# Allegro board TDI_KU5P_QSFP28_CXP_V001-20240805_1841.brd (continued)
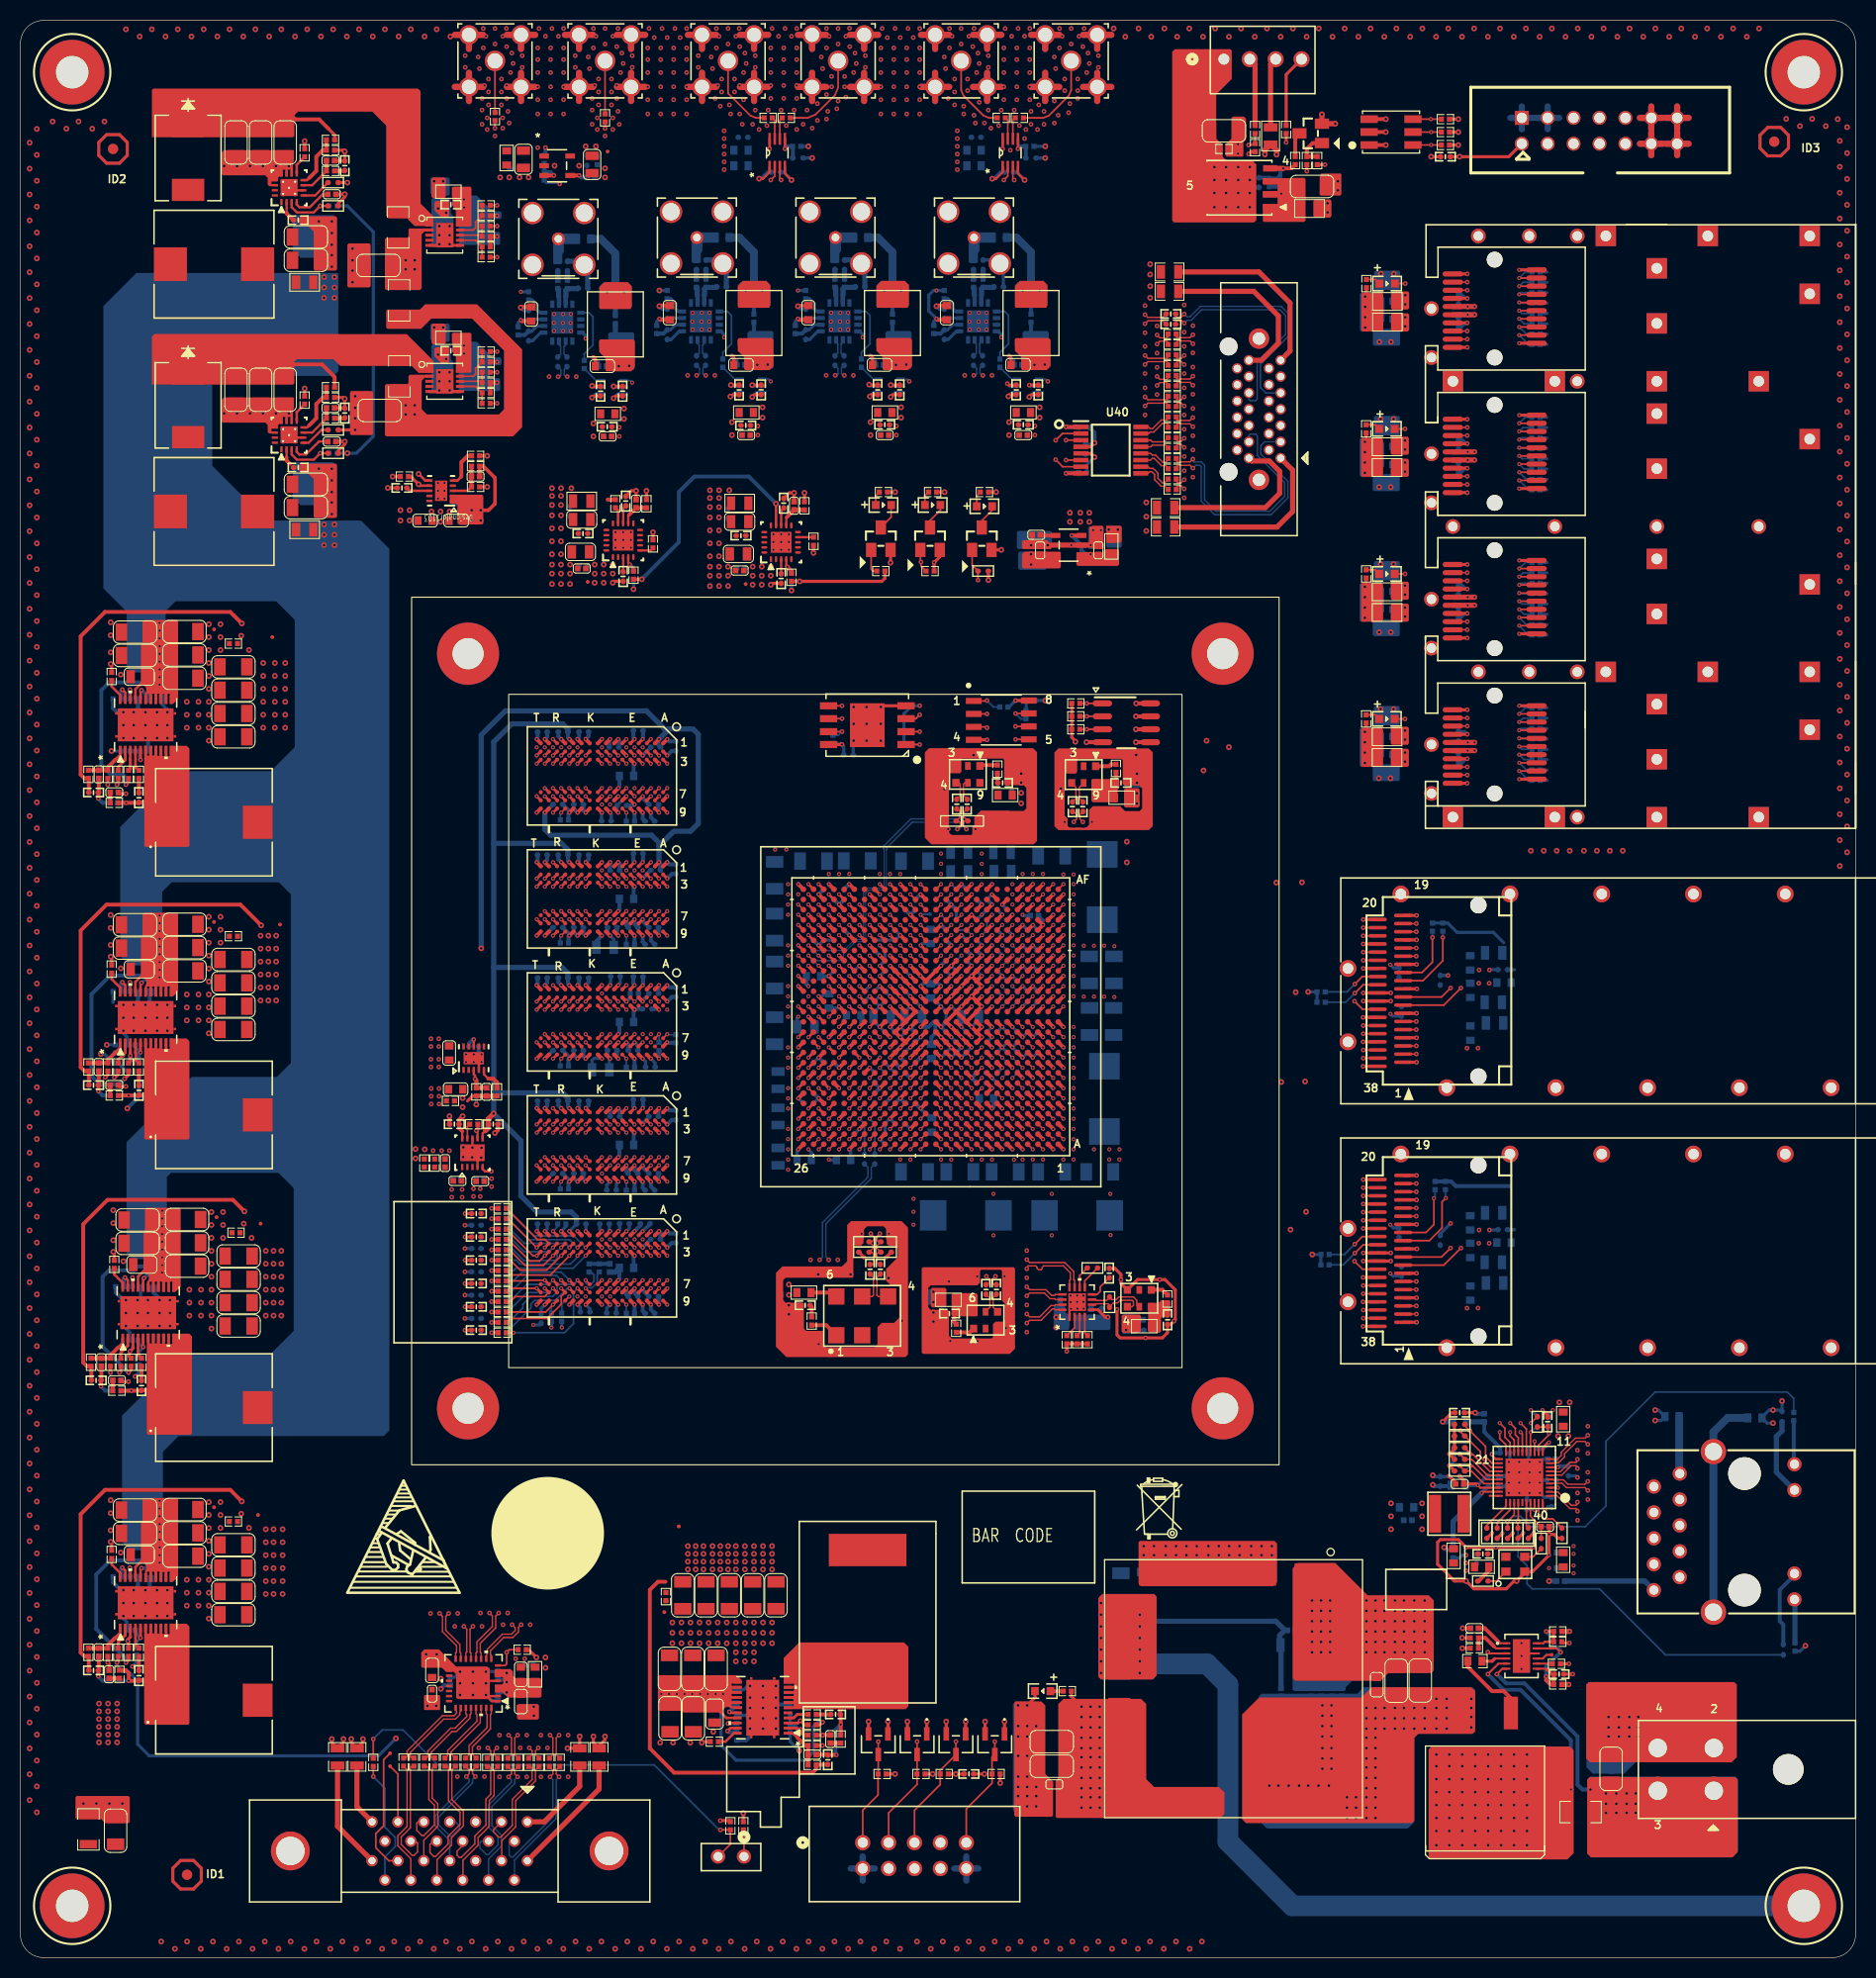
[diagram p0: board, top side]
## Routing (per net, layer and track width the routed paths; a pad name or vN(x,y) marks a point on that pad's centre or on a via; arc(x,y) is an arc through that point) (continued)
CHA_QSFP1_TX0_P: length 61
  TOP w0.14: v2(131.71,89.02) 133.12,89.02 J6.36
  TOP w0.17: U1.N5 v1(98.3,91.27)
  ART12 w0.102: v1(98.3,91.27) 98.65,91.27 arc(98.72,91.3) 98.75,91.38 98.75,91.64 arc(98.72,91.72) 98.65,91.74 98.07,91.74 arc(97.93,91.69) 97.88,91.56 97.88,87.03 arc(97.93,86.91) 98.05,86.86 100.38,86.86 101.02,86.9 103.62,86.9 103.67,86.95 103.7,86.95
  ART12 w0.114: v2(131.71,89.02) 131.71,88.85 arc(131.68,88.76) 131.59,88.73 131.5,88.73 arc(131.32,88.69) 131.17,88.59 130.24,87.66 arc(130.17,87.63) 130.09,87.66 arc(130.02,87.69) 129.94,87.66 129.77,87.49 arc(129.74,87.41) 129.77,87.34 arc(129.8,87.26) 129.77,87.19 129.59,87.01 arc(129.53,86.97) 129.45,86.95 129.07,86.95 arc(129,86.98) 128.97,87.05 arc(128.93,87.13) 128.86,87.16 128.62,87.16 arc(128.54,87.13) 128.51,87.05 arc(128.48,86.98) 128.41,86.95 128.15,86.95 arc(128.08,86.98) 128.05,87.05 arc(128.02,87.14) 127.93,87.17 127.72,87.17 arc(127.63,87.14) 127.6,87.05 arc(127.57,86.98) 127.5,86.95 127.14,86.95 arc(126.9,87.05) 126.8,87.29 126.8,89.55 arc(126.15,90.2) 125.5,89.55 125.5,87.29 arc(125.16,86.95) 124.82,87.29 124.82,89.55 arc(124.17,90.2) 123.52,89.55 123.52,87.29 arc(123.17,86.95) 122.83,87.29 122.83,89.55 arc(122.18,90.2) 121.53,89.55 121.53,87.29 arc(121.43,87.05) 121.19,86.95 103.7,86.95
CHA_QSFP1_TX1_N: length 62.1
  TOP w0.14: v2(136.91,88.62) 135.63,88.62 J6.2
  TOP w0.17: U1.L4 v1(99.3,89.28)
  ART12 w0.102: v1(99.3,89.28) 99.05,89.28 arc(98.91,89.33) 98.85,89.48 98.85,89.5 arc(98.91,89.64) 99.05,89.7 100.46,89.7 101.04,89.65 103.57,89.65 103.62,89.6 103.65,89.6
  ART12 w0.114: v2(136.91,88.62) 136.91,88.75 arc(136.88,88.83) 136.8,88.86 136.56,88.86 arc(136.34,88.91) 136.15,89.03 135.83,89.35 arc(135.75,89.39) 135.68,89.35 arc(135.6,89.32) 135.53,89.35 135.36,89.53 arc(135.32,89.6) 135.36,89.68 arc(135.39,89.75) 135.36,89.83 132.4,92.78 arc(132.32,92.84) 132.21,92.86 111.37,92.86 arc(111.13,92.76) 111.03,92.52 111.03,90.34 arc(110.38,89.69) 109.73,90.34 109.73,92.52 arc(109.38,92.86) 109.04,92.52 109.04,90.34 arc(108.39,89.69) 107.74,90.34 107.74,92.52 arc(107.4,92.86) 107.05,92.52 107.05,90.34 arc(106.4,89.69) 105.75,90.34 105.75,92.52 arc(105.65,92.76) 105.41,92.86 105.03,92.86 arc(104.91,92.81) 104.87,92.69 104.87,90.36 arc(104.83,90.16) 104.72,90 104.47,89.75 arc(104.31,89.64) 104.11,89.6 103.65,89.6
CHA_QSFP1_TX1_P: length 62.1
  TOP w0.14: J6.3 135.63,89.42 v2(136.91,89.42)
  TOP w0.17: U1.L5 v1(98.3,89.28)
  ART12 w0.102: v1(98.3,89.28) 98.48,89.28 arc(98.6,89.32) 98.65,89.44 98.65,89.5 arc(98.76,89.78) 99.05,89.9 100.47,89.9 100.76,89.88 101.04,89.86 103.57,89.86 103.62,89.91 103.65,89.91
  ART12 w0.114: 103.65,89.91 104.11,89.91 arc(104.19,89.92) 104.25,89.97 104.5,90.21 arc(104.54,90.28) 104.56,90.36 104.56,92.69 arc(104.7,93.03) 105.03,93.17 105.41,93.17 arc(105.87,92.98) 106.06,92.52 106.06,90.34 arc(106.4,89.99) 106.75,90.34 106.75,92.52 arc(107.4,93.17) 108.05,92.52 108.05,90.34 arc(108.39,89.99) 108.73,90.34 108.73,92.52 arc(109.38,93.17) 110.03,92.52 110.03,90.34 arc(110.38,89.99) 110.72,90.34 110.72,92.52 arc(110.91,92.98) 111.37,93.17 132.21,93.17 arc(132.43,93.12) 132.62,93 136.37,89.25 arc(136.45,89.19) 136.56,89.17 136.8,89.17 arc(136.88,89.21) 136.91,89.29 v2(136.91,89.42)
CHA_QSFP1_TX2_N: length 61.6
  TOP w0.14: J6.34 v2(131.71,90.62)
  TOP w0.17: U1.J4 v1(99.3,87.27)
  ART12 w0.102: 103.62,87.6 103.6,87.6 103.54,87.65 101.01,87.65 100.43,87.69 98.97,87.69 arc(98.91,87.68) 98.86,87.65 98.84,87.64 arc(98.81,87.58) 98.8,87.52 98.8,87.44 arc(98.81,87.38) 98.84,87.33 98.86,87.32 arc(98.9,87.29) 98.96,87.27 v1(99.3,87.27)
  ART12 w0.114: v2(131.71,90.62) 131.71,90.75 arc(131.68,90.83) 131.6,90.86 131.52,90.86 arc(131.27,90.91) 131.05,91.06 131.02,91.09 arc(130.97,91.12) 130.91,91.13 128.88,91.13 arc(128.86,91.13) 128.85,91.12 arc(128.83,91.1) 128.82,91.07 arc(128.8,91.03) 128.76,91.01 128.43,91.01 arc(128.38,91.03) 128.36,91.07 arc(128.34,91.11) 128.3,91.13 120.66,91.13 arc(120.41,91.03) 120.31,90.79 120.31,88.56 arc(119.66,87.91) 119.01,88.56 119.01,90.79 arc(118.67,91.13) 118.33,90.79 118.33,88.56 arc(117.68,87.91) 117.03,88.56 117.03,90.79 arc(116.68,91.13) 116.34,90.79 116.34,88.56 arc(115.69,87.91) 115.04,88.56 115.04,90.79 arc(114.7,91.13) 114.35,90.79 114.35,88.56 arc(113.7,87.91) 113.05,88.56 113.05,90.79 arc(112.95,91.03) 112.71,91.13 112.62,91.13 arc(112.35,91.02) 112.23,90.74 112.23,88.42 arc(112.18,88.13) 112.01,87.89 111.94,87.82 arc(111.7,87.66) 111.41,87.6 103.62,87.6
CHA_QSFP1_TX2_P: length 61.6
  TOP w0.14: J6.33 v2(131.71,91.42)
  TOP w0.17: U1.J5 v1(98.3,87.27)
  ART12 w0.102: 103.62,87.91 103.6,87.91 103.54,87.85 101.02,87.85 100.44,87.9 98.97,87.9 arc(98.83,87.87) 98.71,87.79 98.7,87.78 arc(98.62,87.66) 98.6,87.52 98.6,87.44 arc(98.58,87.38) 98.55,87.33 98.54,87.32 arc(98.49,87.29) 98.43,87.27 v1(98.3,87.27)
  ART12 w0.114: v2(131.71,91.42) 131.71,91.28 arc(131.68,91.2) 131.6,91.17 131.52,91.17 arc(131.39,91.2) 131.27,91.27 131.24,91.3 arc(131.09,91.4) 130.91,91.44 120.66,91.44 arc(120.2,91.25) 120.01,90.79 120.01,88.56 arc(119.66,88.22) 119.32,88.56 119.32,90.79 arc(118.67,91.44) 118.02,90.79 118.02,88.56 arc(117.68,88.22) 117.33,88.56 117.33,90.79 arc(116.68,91.44) 116.03,90.79 116.03,88.56 arc(115.69,88.22) 115.35,88.56 115.35,90.79 arc(114.7,91.44) 114.05,90.79 114.05,88.56 arc(113.7,88.22) 113.36,88.56 113.36,90.79 arc(113.17,91.25) 112.71,91.44 112.62,91.44 arc(112.13,91.24) 111.93,90.74 111.93,88.42 arc(111.89,88.25) 111.79,88.11 111.72,88.04 arc(111.58,87.94) 111.41,87.91 103.62,87.91
CHA_QSFP1_TX3_N: length 61.2
  TOP w0.14: v2(136.91,91.02) 135.63,91.02 J6.5
  TOP w0.17: U1.G4 v1(99.3,85.28)
  ART12 w0.102: 103.77,84.95 103.75,84.95 103.7,84.9 101.07,84.9 100.38,84.86 98.9,84.86 arc(98.81,84.89) 98.77,84.99 98.77,85.17 arc(98.8,85.25) 98.87,85.28 v1(99.3,85.28)
  ART12 w0.114: 103.77,84.95 104.25,84.95 arc(104.33,84.98) 104.36,85.06 104.36,85.06 arc(104.39,85.13) 104.47,85.17 104.71,85.17 arc(104.79,85.13) 104.82,85.06 104.82,85.06 arc(104.85,84.98) 104.93,84.95 105.17,84.95 arc(105.24,84.98) 105.28,85.06 105.28,85.06 arc(105.31,85.13) 105.38,85.17 105.62,85.17 arc(105.7,85.13) 105.73,85.06 105.73,85.06 arc(105.76,84.98) 105.84,84.95 106.08,84.95 arc(106.16,84.98) 106.19,85.06 106.19,85.06 arc(106.23,85.14) 106.31,85.18 106.53,85.18 arc(106.61,85.14) 106.65,85.06 106.65,85.06 arc(106.68,84.98) 106.76,84.95 107,84.95 arc(107.07,84.98) 107.1,85.06 107.1,85.06 arc(107.14,85.15) 107.24,85.19 107.43,85.19 arc(107.52,85.15) 107.56,85.06 107.56,85.06 arc(107.59,84.98) 107.67,84.95 125.05,84.95 arc(125.51,84.76) 125.7,84.3 125.7,82.84 arc(126.04,82.5) 126.38,82.84 126.38,84.3 arc(127.03,84.95) 127.68,84.3 127.68,82.84 arc(128.02,82.5) 128.37,82.84 128.37,84.3 arc(129.02,84.95) 129.67,84.3 129.67,82.84 arc(130.01,82.5) 130.35,82.84 130.35,84.3 arc(130.54,84.76) 131,84.95 135.4,84.95 arc(136.25,85.12) 136.98,85.6 137.03,85.65 arc(137.55,86.44) 137.73,87.36 137.73,91 arc(137.66,91.19) 137.47,91.26 137.03,91.26 arc(136.94,91.23) 136.91,91.15 v2(136.91,91.02)
CHA_QSFP1_TX3_P: length 61.2
  TOP w0.14: J6.6 135.63,91.82 v2(136.91,91.82)
  TOP w0.17: U1.G5 v1(98.3,85.28)
  ART12 w0.102: 103.77,84.64 103.75,84.64 103.7,84.69 101.08,84.69 100.39,84.65 98.9,84.65 arc(98.67,84.75) 98.57,84.99 98.57,85.17 arc(98.54,85.25) 98.47,85.28 v1(98.3,85.28)
  ART12 w0.114: v2(136.91,91.82) 136.91,91.69 arc(136.94,91.61) 137.03,91.57 137.47,91.57 arc(137.88,91.41) 138.04,91 138.04,87.36 arc(137.83,86.32) 137.24,85.43 137.19,85.38 arc(136.37,84.84) 135.4,84.64 131,84.64 arc(130.76,84.54) 130.66,84.3 130.66,82.84 arc(130.01,82.19) 129.36,82.84 129.36,84.3 arc(129.02,84.64) 128.68,84.3 128.68,82.84 arc(128.02,82.19) 127.37,82.84 127.37,84.3 arc(127.03,84.64) 126.69,84.3 126.69,82.84 arc(126.04,82.19) 125.39,82.84 125.39,84.3 arc(125.29,84.54) 125.05,84.64 103.77,84.64
CHA_QSFP1_VCCI: length 2.7
  TOP w0.305: v2(134.41,93.82) J6.30 v2(131.71,93.82)
CHA_QSFP1_VCCRX: length 1.3
  TOP w0.305: v2(136.97,95.02) 136.97,95.02 J6.10
CHA_QSFP1_VCCTX: length 2.7
  TOP w0.305: v2(131.71,94.62) 131.71,94.62 J6.29 134.41,94.62 v2(134.41,94.62)
CHA_QSPI_FLASH_CE_B: length 42.3
  TOP w0.17: v2(88.2,118.97) 86.87,118.97 U2.1 ; U1.AA12 v1(91.3,100.28)
  ART03 w0.122: v2(88.2,118.97) 88.2,119.25 86.07,121.39 85.28,121.39 85.16,121.26 85.16,120.31 85.28,120.19 86.35,120.19 86.48,120.07 86.48,119.83 86.35,119.7 85.28,119.7 85.16,119.58 85.16,119.15 85.64,118.66 85.87,118.66 86.37,119.16 86.54,119.16 86.69,119.02 86.69,118.84 86.16,118.32 86.16,118.15 86.33,117.97 86.51,117.97 87.01,118.47 87.18,118.47 87.82,117.83 88.64,117.83 88.76,117.71 88.76,117.48 88.64,117.35 87.49,117.35 87.37,117.23 87.37,116.99 87.49,116.87 88.64,116.87 88.76,116.74 88.76,116.5 88.64,116.38 87.97,116.38 87.85,116.26 87.85,116.01 87.97,115.89 88.64,115.89 88.76,115.77 88.76,115.53 88.64,115.4 87.97,115.4 87.85,115.28 87.85,115.04 87.97,114.92 88.64,114.92 88.76,114.79 88.76,114 89.73,113.03 89.73,101.07 90.11,100.69 90.9,100.69 v1(91.3,100.28)
  BOTTOM w0.17: R16.2 v2(88.2,118.97)
CHA_QSPI_FLASH_CLK: length 40.5
  TOP w0.17: U2.6 v2(80.58,121.52)
  ART03 w0.122: v2(80.58,121.52) 81.09,121.01 81.09,118.85 81.27,118.67 83.2,118.67 84.08,117.79 84.25,117.79 84.9,118.45 85.07,118.45 85.25,118.27 85.25,118.1 84.59,117.45 84.59,117.28 84.77,117.1 84.94,117.1 85.59,117.76 85.76,117.76 85.94,117.58 85.94,117.41 85.28,116.76 85.28,116.59 85.46,116.41 85.63,116.41 86.28,117.07 86.45,117.07 86.63,116.89 86.63,116.72 85.97,116.07 85.97,115.9 86.15,115.72 86.32,115.72 86.97,116.38 87.14,116.38 87.32,116.2 87.32,116.03 86.66,115.38 86.66,115.21 89.22,112.65 89.22,99.67 90.11,98.78 91.8,98.78 v1(92.3,98.28)
  BOTTOM w0.17: R1.1 91.8,97.78 v1(92.3,98.28)
CHA_QSPI_FLASH_D0: length 40.6
  TOP w0.17: v2(80.58,122.78) U2.5 ; U1.AD11 v1(92.3,103.28)
  ART03 w0.122: v2(80.58,122.78) 80.58,123.55 80.71,123.67 84.65,123.67 87.44,120.88 88.66,120.88 89.8,119.74 89.8,114.48 90.41,113.87 94.3,113.87 94.68,113.49 94.68,110.77 94.05,110.13 92.14,110.13 92.01,110.01 92.01,109.56 92.14,109.44 92.63,109.44 92.75,109.32 92.75,109.07 92.63,108.95 92.14,108.95 92.01,108.83 92.01,108.58 92.14,108.46 92.63,108.46 92.75,108.34 92.75,108.1 92.63,107.97 92.14,107.97 92.01,107.85 92.01,107.61 92.14,107.49 92.63,107.49 92.75,107.37 92.75,107.12 92.63,107 92.14,107 92.01,106.88 92.01,105.84 91.76,105.59 91.76,103.73 92.21,103.28 v1(92.3,103.28)
CHA_QSPI_FLASH_D1: length 41.3
  TOP w0.17: U2.2 v2(88.2,120.24) ; U1.AC12 v1(91.3,102.28)
  ART03 w0.122: v1(91.3,102.28) 91.18,102.28 90.74,102.72 90.74,106.07 90.87,106.19 91.46,106.19 91.58,106.32 91.58,106.56 91.46,106.68 90.87,106.68 90.74,106.8 90.74,107.05 90.87,107.17 91.46,107.17 91.58,107.29 91.58,107.53 91.46,107.66 90.87,107.66 90.74,107.78 90.74,108.02 90.87,108.14 91.46,108.14 91.58,108.27 91.58,108.51 91.46,108.63 90.87,108.63 90.74,108.75 90.74,109 90.87,109.12 91.46,109.12 91.58,109.24 91.58,109.48 91.46,109.61 90.87,109.61 90.74,109.73 90.74,109.93 90.34,110.34 90.34,111.16 90.46,111.28 93.89,111.28 94.1,111.48 94.1,113.06 93.92,113.23 93.52,113.23 93.4,113.11 93.4,112.03 93.25,111.89 93,111.89 92.88,112.01 92.88,113.11 92.76,113.23 92.54,113.23 92.39,113.09 92.39,112.01 92.27,111.89 92.03,111.89 91.91,112.01 91.91,113.11 91.79,113.23 91.57,113.23 91.42,113.09 91.42,112.01 91.3,111.89 91.08,111.89 90.96,112.01 90.96,113.11 90.84,113.23 90.34,113.23 89.27,114.3 89.27,119.17 v2(88.2,120.24)
CHA_QSPI_FLASH_D2: length 42.4
  TOP w0.17: v2(88.2,121.89) 87.82,121.51 86.87,121.51 U2.3 ; U1.AC11 v1(92.3,102.28)
  ART03 w0.122: v1(92.3,102.28) 92.3,102.37 92.78,102.84 92.78,103.61 92.9,103.73 93.41,103.73 93.79,104.11 93.79,108.38 96.05,110.64 96.05,120.6 95.37,121.28 94.35,121.28 93.74,121.89 93.28,121.89 93.16,122.02 93.16,122.99 93.04,123.11 92.8,123.11 92.67,122.99 92.67,122.02 92.55,121.89 92.31,121.89 92.19,122.02 92.19,122.99 92.07,123.11 91.82,123.11 91.7,122.99 91.7,122.02 91.58,121.89 91.33,121.89 91.21,122.02 91.21,122.99 91.09,123.11 90.85,123.11 90.72,122.99 90.72,122.02 90.6,121.89 90.36,121.89 90.24,122.02 90.24,122.99 90.11,123.11 89.87,123.11 89.75,122.99 89.75,122.02 89.63,121.89 89.38,121.89 89.26,122.02 89.26,122.99 89.14,123.11 88.9,123.11 88.77,122.99 88.77,122.02 88.65,121.89 v2(88.2,121.89)
  BOTTOM w0.17: v2(88.2,121.89) 87.82,121.51 R17.2
CHA_QSPI_FLASH_D3: length 40.9
  TOP w0.17: U1.AE11 v1(92.3,104.28) ; U2.7 80.58,120.24 v2(80.58,120.24)
  ART03 w0.122: v2(80.58,120.24) 80.58,120.37 79.95,121.01 79.95,123.67 80.33,124.05 84.96,124.05 87.76,121.26 93.26,121.26 94.45,120.07 94.96,120.07 95.49,119.53 95.49,110.85 93.32,108.67 93.32,106.24 92.78,105.69 92.78,104.76 v1(92.3,104.28)
  BOTTOM w0.17: R18.2 80.22,119.88 v2(80.58,120.24)
CHA_SFP0_VCCRX: length 2.1
  TOP w0.508: v2(142.64,119.18) v2(141.96,119.18) P1.A15
  vias: v3(135.8,120.35) v3(135.8,119.46)
CHA_SFP0_VCCTX: length 2.1
  TOP w0.508: v2(142.64,118.38) v2(141.96,118.38) P1.A16
  vias: v3(135.8,118.19) v3(135.8,117.3)
CHA_SFP1_VCCRX: length 2.1
  TOP w0.508: P1.B15 v2(141.96,133.43) v2(142.64,133.43)
  vias: v3(135.8,134.57) v3(135.8,133.68)
CHA_SFP1_VCCTX: length 2.1
  TOP w0.508: v2(142.64,132.63) v2(141.96,132.63) P1.B16
  vias: v3(135.8,132.41) v3(135.8,131.52)
CHA_SFP2_VCCRX: length 2.1
  TOP w0.508: v2(142.64,147.68) v2(141.96,147.68) P1.C15
  vias: v3(135.8,148.79) v3(135.8,147.9)
CHA_SFP2_VCCTX: length 2.1
  TOP w0.508: P1.C16 v2(141.96,146.88) v2(142.64,146.88)
  vias: v3(135.8,146.63) v3(135.8,145.75)
CHA_SFP3_VCCRX: length 2.1
  TOP w0.508: v2(142.64,161.93) v2(141.96,161.93) P1.D15
  BOTTOM w0.508: 141.95,161.94 v2(141.96,161.93)
  vias: v3(135.83,163.04) v3(135.83,162.15)
CHA_SFP3_VCCTX: length 3.9
  TOP w0.508: v2(142.64,161.13) v2(141.96,161.13) P1.D16
  BOTTOM w0.508: C263.1 141.32,161.13 v2(141.96,161.13) v2(142.64,161.13)
  vias: v3(135.83,160.88) v3(135.83,159.99)
CHA_SFP+_0_LOS: length 95.9
  TOP w0.17: P1.A8 v1(147.01,121.18) ; U1.B11 v1(92.3,80.27) ; DS4.2 v2(135.8,121.49)
  ART03 w0.122: v1(92.3,80.27) 92.36,80.27 92.69,79.95 92.69,79.13 92.47,78.92 92.47,77.83 93.84,76.45 104.97,76.45 105.84,77.33 108.13,77.33 119.57,88.77 119.57,110.97 130.09,121.49 v2(135.8,121.49)
  ART12 w0.122: v1(147.01,121.18) 144.44,121.18 142.38,123.24 137.56,123.24 v2(135.8,121.49)
  BOTTOM w0.17: R117.2 147.39,121.56 v1(147.01,121.18)
CHA_SFP+_0_MOD_DETECT: length 89.3
  TOP w0.17: U1.D11 v1(92.3,82.28) ; P1.A6 v1(147.01,119.58)
  ART03 w0.122: v1(147.01,119.58) 143.91,116.48 143.91,115.77 142.36,114.22 142.36,110.19 139.59,107.42 131.16,107.42 119.93,96.18 119.93,88.59 108.3,76.96 106.06,76.96 105.22,76.12 93.69,76.12 91.91,77.9 91.91,81.66 92.3,82.05 v1(92.3,82.28)
  BOTTOM w0.17: R115.2 147.06,119.53 v1(147.01,119.58)
CHA_SFP+_0_RS0: length 3
  TOP w0.17: P1.A7 v1(147.01,120.38)
  BOTTOM w0.17: R111.2 147.17,120.55 v1(147.01,120.38)
CHA_SFP+_0_RS1: length 3.2
  TOP w0.17: P1.A9 v1(147.01,121.98)
  BOTTOM w0.17: v1(147.01,121.98) 147.6,122.58 R116.2
CHA_SFP+_0_RXD_N: length 63.5
  TOP w0.14: v2(141.91,121.58) 141.9,121.58 P1.A12
  TOP w0.17: U1.P1 v1(102.3,93.28)
  ART10 w0.114: v2(141.91,121.58) 141.91,121.45 arc(141.87,121.37) 141.79,121.34 141.45,121.34 arc(141.11,121.27) 140.83,121.08 140.63,120.88 arc(140.44,120.59) 140.37,120.26 140.37,119.46 arc(140.3,119.1) 140.1,118.8 138.74,117.44 arc(138.66,117.41) 138.58,117.44 arc(138.51,117.47) 138.43,117.44 138.26,117.27 arc(138.23,117.19) 138.26,117.11 arc(138.29,117.04) 138.26,116.96 138.09,116.79 arc(138.01,116.76) 137.94,116.79 arc(137.86,116.82) 137.79,116.79 137.61,116.62 arc(137.58,116.54) 137.61,116.47 arc(137.65,116.39) 137.61,116.32 136.92,115.62 arc(135.49,114.66) 133.79,114.33 132.06,114.33 arc(129.65,113.85) 127.61,112.49 126.76,111.63 arc(126.57,111.17) 126.76,110.71 127.72,109.75 arc(127.82,109.51) 127.72,109.27 127.72,109.27 arc(127.48,109.17) 127.24,109.27 126.27,110.23 arc(125.35,110.23) 125.35,109.31 126.32,108.35 arc(126.42,108.11) 126.32,107.86 arc(126.07,107.76) 125.83,107.86 124.87,108.82 arc(124.41,109.01) 123.95,108.82 108.12,93 arc(108.1,92.97) 108.07,92.95 arc(107.71,92.73) 107.31,92.66 102.07,92.66 arc(101.99,92.69) 101.95,92.77 101.95,93.17 arc(101.99,93.25) 102.07,93.28 v1(102.3,93.28)
CHA_SFP+_0_RXD_P: length 63.5
  TOP w0.14: P1.A13 v2(141.91,120.78)
  TOP w0.17: U1.P2 v1(101.3,93.28)
  ART10 w0.114: v1(101.3,93.28) 101.53,93.28 arc(101.61,93.25) 101.65,93.17 101.65,92.77 arc(101.77,92.48) 102.07,92.35 107.31,92.35 arc(107.82,92.45) 108.27,92.71 arc(108.31,92.75) 108.34,92.78 124.17,108.61 arc(124.41,108.71) 124.65,108.61 125.61,107.64 arc(126.07,107.45) 126.53,107.64 126.53,107.65 arc(126.72,108.11) 126.53,108.56 125.57,109.53 arc(125.57,110.01) 126.06,110.01 127.02,109.05 arc(127.48,108.86) 127.94,109.05 127.94,109.05 arc(128.13,109.51) 127.94,109.97 126.98,110.93 arc(126.88,111.17) 126.98,111.42 127.83,112.27 arc(129.77,113.57) 132.06,114.02 133.79,114.02 arc(135.6,114.38) 137.14,115.41 140.32,118.59 arc(140.59,118.99) 140.68,119.46 140.68,120.26 arc(140.72,120.48) 140.85,120.66 141.05,120.86 arc(141.23,120.98) 141.45,121.03 141.79,121.03 arc(141.87,120.99) 141.91,120.91 v2(141.91,120.78)
CHA_SFP+_0_SCL: length 3.1
  TOP w0.17: P1.A5 v1(147.01,118.78)
  BOTTOM w0.17: v1(147.01,118.78) 147.27,118.51 R114.2
CHA_SFP+_0_SDA: length 3.1
  TOP w0.17: P1.A4 v1(147.01,117.98)
  BOTTOM w0.17: v1(147.01,117.98) 147.49,117.5 R110.2
CHA_SFP+_0_TX_DISABLE: length 88
  TOP w0.17: U1.C12 v1(91.3,81.27) ; v1(147.01,117.18) 147.01,117.18 P1.A3
  ART03 w0.122: v1(147.01,117.18) 146.29,116.47 146.29,111.86 141.32,106.88 131.27,106.88 120.3,95.92 120.3,88.43 108.37,76.5 106.11,76.5 105.37,75.77 93.66,75.77 91.69,77.75 91.69,80.82 91.3,81.21 v1(91.3,81.27)
  BOTTOM w0.17: R113.2 147.7,116.48 v1(147.01,117.18)
CHA_SFP+_0_TX_FAULT: length 87.4
  TOP w0.17: P1.A2 147.01,116.38 v1(147.01,116.38) ; U1.A12 v1(91.3,79.28)
  ART03 w0.122: v1(91.3,79.28) 90.91,78.89 90.91,78.05 93.57,75.39 105.65,75.39 106.28,76.01 108.41,76.01 120.68,88.28 120.68,95.5 131.66,106.48 141.93,106.48 147.89,112.45 147.89,115.49 v1(147.01,116.38)
  BOTTOM w0.17: v1(147.01,116.38) 147.92,115.47 R112.2
CHA_SFP+_0_TXD_N: length 61.6
  TOP w0.14: P1.A19 v2(141.91,115.98)
  TOP w0.17: U1.R4 v1(99.3,94.28)
  ART12 w0.102: 103.6,94.61 103.57,94.61 103.52,94.66 100.99,94.66 100.41,94.7 99.05,94.7 arc(98.91,94.64) 98.85,94.5 98.85,94.48 arc(98.91,94.34) 99.05,94.28 v1(99.3,94.28)
  ART12 w0.114: 103.6,94.61 103.9,94.61 104.15,94.86 arc(104.21,94.9) 104.29,94.92 108.21,94.92 arc(108.24,94.92) 108.27,94.92 arc(108.43,94.97) 108.57,95.07 125.65,112.15 arc(125.9,112.25) 126.14,112.15 126.91,111.38 arc(127.37,111.19) 127.83,111.38 arc(128.02,111.84) 127.83,112.3 127.06,113.07 arc(127.06,113.55) 127.54,113.55 128.31,112.78 arc(128.77,112.59) 129.23,112.78 129.23,112.78 arc(129.42,113.24) 129.23,113.7 128.46,114.47 arc(128.36,114.72) 128.46,114.96 128.91,115.4 arc(129.82,116.01) 130.9,116.23 140.28,116.23 arc(140.35,116.2) 140.37,116.14 arc(140.4,116.07) 140.47,116.04 140.73,116.04 arc(140.8,116.07) 140.83,116.14 arc(140.86,116.2) 140.92,116.23 141.5,116.23 arc(141.65,116.2) 141.78,116.11 v2(141.91,115.98)
CHA_SFP+_0_TXD_P: length 61.6
  TOP w0.14: P1.A18 v2(141.91,116.78)
  TOP w0.17: U1.R5 v1(98.3,94.28)
  ART12 w0.102: 103.6,94.91 103.57,94.91 103.52,94.86 100.99,94.86 100.99,94.86 100.41,94.9 99.05,94.9 arc(98.76,94.79) 98.65,94.5 98.65,94.45 arc(98.6,94.33) 98.48,94.28 v1(98.3,94.28)
  ART12 w0.114: 103.6,94.91 103.77,94.91 103.93,95.08 arc(104.1,95.19) 104.29,95.22 108.21,95.22 arc(108.22,95.22) 108.23,95.23 arc(108.3,95.24) 108.35,95.28 125.44,112.36 arc(125.9,112.56) 126.36,112.36 127.12,111.6 arc(127.37,111.49) 127.61,111.6 127.61,111.6 arc(127.71,111.84) 127.61,112.08 126.84,112.85 arc(126.84,113.77) 127.76,113.77 128.53,113 arc(128.77,112.9) 129.01,113 129.02,113 arc(129.12,113.24) 129.02,113.49 128.25,114.26 arc(128.06,114.72) 128.25,115.18 128.69,115.62 arc(129.7,116.3) 130.9,116.54 141.5,116.54 arc(141.65,116.57) 141.78,116.65 v2(141.91,116.78)
CHA_SFP+_1_LOS: length 108.7
  TOP w0.17: DS5.2 v2(135.8,135.71) ; U1.D10 v1(93.3,82.28) ; P1.B8 v1(147.01,135.43)
  ART03 w0.122: v1(93.3,82.28) 93.41,82.28 93.91,81.77 93.91,79.05 94.2,78.77 94.6,78.77 94.81,78.56 94.81,78.08 95.02,77.87 103.61,77.87 104.33,78.59 104.33,79.73 118.05,93.45 118.05,111.99 124.65,118.59 124.65,134.21 126.15,135.71 v2(135.8,135.71)
  ART12 w0.122: v1(147.01,135.43) 144.64,135.43 142.31,137.77 137.86,137.77 v2(135.8,135.71)
  BOTTOM w0.17: v1(147.01,135.43) 147.38,135.81 R125.2
CHA_SFP+_1_MOD_DETECT: length 95.1
  TOP w0.17: U1.B10 v1(93.3,80.27) ; P1.B6 v1(147.01,133.83)
  ART03 w0.122: v1(147.01,133.83) 146.52,133.83 145.52,132.83 145.52,132.09 138.93,125.5 132.2,125.5 118.43,111.73 118.43,93.19 105.86,80.62 105.86,78.99 104.36,77.5 94.35,77.5 93.91,77.94 93.91,78.6 93.69,78.82 93.69,79.89 v1(93.3,80.27)
  BOTTOM w0.17: R122.2 147.06,133.78 v1(147.01,133.83)
CHA_SFP+_1_RS0: length 3
  TOP w0.17: P1.B7 v1(147.01,134.63)
  BOTTOM w0.17: R123.2 147.17,134.8 v1(147.01,134.63)
CHA_SFP+_1_RS1: length 3.2
  TOP w0.17: P1.B9 v1(147.01,136.23)
  BOTTOM w0.17: R124.2 147.6,136.83 v1(147.01,136.23)
CHA_SFP+_1_RXD_N: length 63.7
  TOP w0.14: P1.B12 141.9,135.83 v2(141.91,135.83)
  TOP w0.17: U1.T1 v1(102.3,95.28)
  ART10 w0.102: 103.65,94.91 103.62,94.91 103.57,94.86 102.01,94.86 arc(101.93,94.89) 101.9,94.97 101.9,95.09 arc(101.96,95.23) 102.09,95.28 v1(102.3,95.28)
  ART10 w0.114: 103.65,94.91 103.84,94.91 arc(103.89,94.92) 103.93,94.95 104.23,95.25 arc(104.4,95.36) 104.59,95.4 108.42,95.4 arc(108.47,95.41) 108.5,95.44 127.39,114.32 arc(129.29,117.17) 129.96,120.52 arc(130.33,122.4) 131.4,123.99 140.29,132.89 arc(140.52,133.23) 140.6,133.64 140.6,133.89 arc(140.56,133.98) 140.48,134.02 arc(140.39,134.05) 140.35,134.14 140.35,134.35 arc(140.39,134.44) 140.48,134.47 arc(140.56,134.51) 140.6,134.6 140.6,134.73 arc(140.85,135.33) 141.46,135.58 141.5,135.58 arc(141.65,135.61) 141.78,135.7 v2(141.91,135.83)
CHA_SFP+_1_RXD_P: length 63.8
  TOP w0.14: P1.B13 v2(141.91,135.03)
  TOP w0.17: U1.T2 v1(101.3,95.28)
  ART10 w0.102: 103.65,94.61 103.62,94.61 103.57,94.66 102.01,94.66 arc(101.79,94.75) 101.7,94.97 101.7,95.09 arc(101.64,95.23) 101.51,95.28 v1(101.3,95.28)
  ART10 w0.114: v2(141.91,135.03) 141.76,135.18 arc(141.65,135.25) 141.53,135.28 141.46,135.28 arc(141.07,135.12) 140.91,134.73 140.91,133.64 arc(140.8,133.11) 140.51,132.67 131.61,123.77 arc(130.62,122.28) 130.27,120.52 arc(129.58,117.05) 127.61,114.11 108.72,95.22 arc(108.58,95.13) 108.42,95.1 104.59,95.1 arc(104.52,95.08) 104.45,95.04 104.15,94.73 arc(104.01,94.64) 103.84,94.61 103.65,94.61
CHA_SFP+_1_SCL: length 3.1
  TOP w0.17: P1.B5 v1(147.01,133.03)
  BOTTOM w0.17: v1(147.01,133.03) 147.27,132.76 R121.2
CHA_SFP+_1_SDA: length 3.1
  TOP w0.17: P1.B4 v1(147.01,132.23)
  BOTTOM w0.17: R120.2 147.49,131.75 v1(147.01,132.23)
CHA_SFP+_1_TX_DISABLE: length 93.4
  TOP w0.17: U1.A10 v1(93.3,79.28) ; P1.B3 v1(147.01,131.43)
  ART03 w0.122: v1(147.01,131.43) 145.65,131.43 139.08,124.87 132.2,124.87 118.81,111.48 118.81,92.94 106.24,80.37 106.24,78.84 104.59,77.19 94.27,77.19 93.69,77.78 93.69,78.46 93.3,78.85 v1(93.3,79.28)
  BOTTOM w0.17: R119.2 147.71,130.73 v1(147.01,131.43)
CHA_SFP+_1_TX_FAULT: length 98.6
  TOP w0.17: P1.B2 v1(147.01,130.63) ; U1.C11 v1(92.3,81.27)
  ART03 w0.122: v1(147.01,130.63) 146.9,130.63 146.4,130.12 146.4,127.76 142.94,124.31 132.27,124.31 119.19,111.23 119.19,92.68 107.25,80.75 107.25,77.95 106.97,77.67 105.63,77.67 104.76,76.81 93.94,76.81 92.88,77.88 92.88,78.55 92.91,78.59 92.91,80.87 92.5,81.27 v1(92.3,81.27)
  BOTTOM w0.17: R118.2 147.92,129.72 v1(147.01,130.63)
CHA_SFP+_1_TXD_N: length 62.2
  TOP w0.14: P1.B19 v2(141.91,130.23)
  TOP w0.17: U1.U4 v1(99.3,96.28)
  ART12 w0.102: 103.65,96.61 103.62,96.61 103.57,96.66 101.04,96.66 100.46,96.7 99.05,96.7 arc(98.91,96.64) 98.85,96.5 98.85,96.48 arc(98.91,96.34) 99.05,96.28 v1(99.3,96.28)
  ART12 w0.114: v2(141.91,130.23) 141.78,130.36 arc(141.65,130.45) 141.5,130.48 140.97,130.48 arc(140.91,130.46) 140.89,130.4 arc(140.85,130.31) 140.77,130.28 140.56,130.28 arc(140.47,130.31) 140.43,130.4 arc(140.41,130.46) 140.36,130.48 138.8,130.48 arc(138.12,130.34) 137.54,129.96 130.99,123.4 arc(130.38,122.49) 130.17,121.42 130.17,119.96 arc(129.92,118.7) 129.2,117.62 108.35,96.77 arc(108.16,96.65) 107.94,96.61 103.65,96.61
CHA_SFP+_1_TXD_P: length 62.2
  TOP w0.14: P1.B18 v2(141.91,131.03)
  TOP w0.17: U1.U5 v1(98.3,96.28)
  ART12 w0.102: v1(98.3,96.28) 98.48,96.28 arc(98.6,96.33) 98.65,96.45 98.65,96.5 arc(98.76,96.79) 99.05,96.9 100.47,96.9 100.76,96.88 101.04,96.86 103.57,96.86 103.62,96.91 103.65,96.91
  ART12 w0.114: v2(141.91,131.03) 141.78,130.9 arc(141.65,130.82) 141.5,130.79 138.8,130.79 arc(138,130.63) 137.33,130.18 130.77,123.62 arc(130.1,122.61) 129.86,121.42 129.86,119.96 arc(129.63,118.81) 128.98,117.84 108.13,96.99 arc(108.04,96.93) 107.94,96.91 103.65,96.91